# Altium PCB LightLink_V2.1_FINAL_LAYOUT.PcbDoc (part 3 of 3)
Units mm, origin at the board's own origin, x right, y up, seen from the top; angles counter-clockwise.
Board outline 100 x 95 mm, 4 copper layers (Top Layer, GND, PWR, Bottom Layer), stack 1.57 mm thick; 344 components, 261 nets, 1097 pads, 561 vias.
Unrouted connection lines stored in the file: 29.
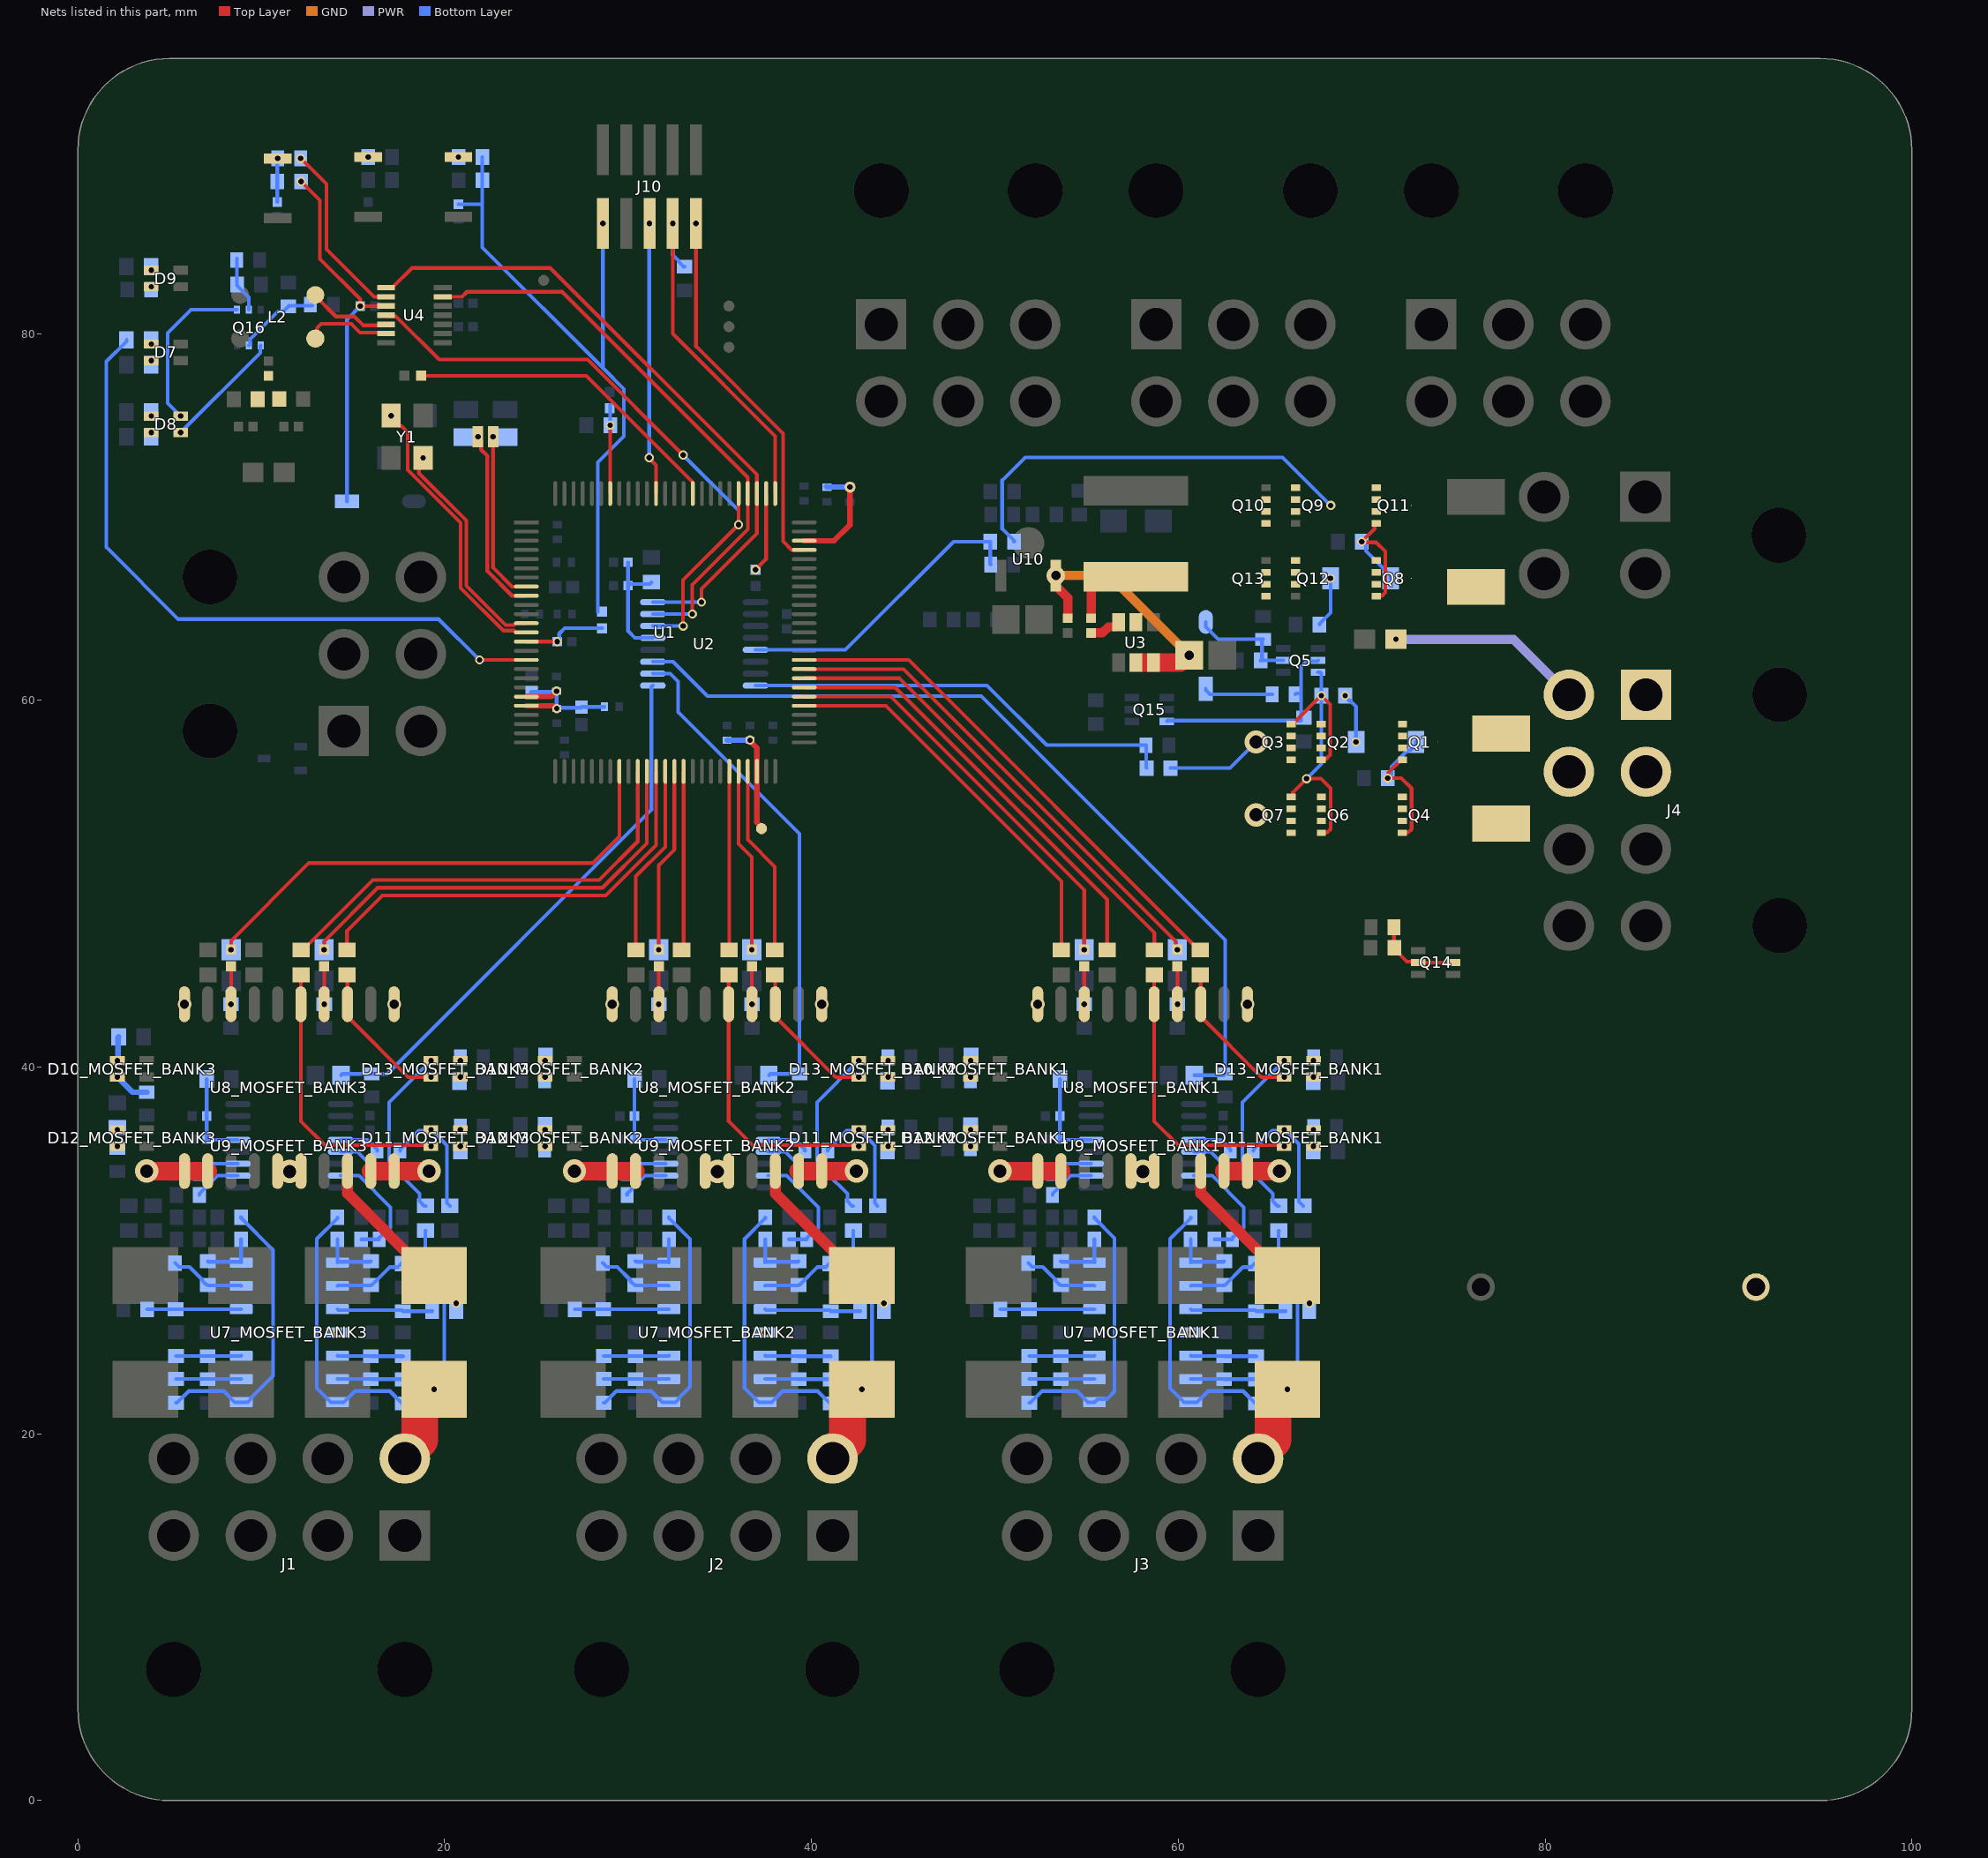
[diagram p5: the nets of this part, all layers, seen from the top]

## Via types
v1: diameter 0.5, hole 0.3, Top Layer to Bottom Layer, tented both sides, 531 vias
v2: diameter 1.27, hole 0.711, Top Layer to Bottom Layer, tented both sides, 13 vias
v3: diameter 0.75, hole 0.5, Top Layer to Bottom Layer, tented both sides, 8 vias
v4: diameter 1, hole 0.5, Top Layer to Bottom Layer, tented both sides, 5 vias
v5: diameter 4, hole 2.5, Top Layer to Bottom Layer, tented both sides, 4 vias

## Nets (pads, with @x,y where several pads share a name; then routed paths per layer and width w, separated by ;. In a path a pad name is that pad's centre, name@x,y a point inside that pad or via, vN(x,y) a via of type N, cw(c..) or ccw(c..) an arc to the next point about the centre after c; other vN are vias at no path point) (continued)
M3_TRIG: R48_MOSFET_BANK3.2 U1.35 | length 24.6
  Top Layer w0.2: R48_MOSFET_BANK3.2@12.175,46.375 12.25,46.375 16.075,50.2 28.425,50.2 30.525,52.3 U1.35@30.525,56.125
M3_TRIG_MOSFET_BANK1: D11_MOSFET_BANK1.3 R48_MOSFET_BANK1.1 U8_MOSFET_BANK1.5 | length 15.6
  Top Layer w0.2: R48_MOSFET_BANK1.1@58.7,45.025 58.685,45.01 U8_MOSFET_BANK1.5@58.685,43.425 58.685,37.04 59.994,35.731 65.719,35.731 v1(65.775,35.675)
M3_TRIG_MOSFET_BANK2: D11_MOSFET_BANK2.3 R48_MOSFET_BANK2.1 U8_MOSFET_BANK2.5 | length 15.6
  Top Layer w0.2: R48_MOSFET_BANK2.1@35.5,45.025 35.485,45.01 U8_MOSFET_BANK2.5@35.485,43.425 35.485,37.04 36.794,35.731 42.519,35.731 v1(42.575,35.675)
M3_TRIG_MOSFET_BANK3: D11_MOSFET_BANK3.3 R48_MOSFET_BANK3.1 U8_MOSFET_BANK3.5 | length 15.6
  Top Layer w0.2: R48_MOSFET_BANK3.1@12.175,45.025 12.16,45.01 U8_MOSFET_BANK3.5@12.16,43.425 12.16,37.04 13.469,35.731 19.194,35.731 v1(19.25,35.675)
M3_V_SENSE_MOSFET_BANK1: D11_MOSFET_BANK1.2 R78_MOSFET_BANK1.1 R97_MOSFET_BANK1.1 | length 6.8
  Bottom Layer w0.2: R97_MOSFET_BANK1.1@64.09,35.433 64.09,35.508 65.119,36.537 65.737,36.537 v1(65.775,36.575) 65.8,36.575 66.575,35.8 66.575,32.659 R78_MOSFET_BANK1.1@66.809,32.425
M3_V_SENSE_MOSFET_BANK2: D11_MOSFET_BANK2.2 R78_MOSFET_BANK2.1 R97_MOSFET_BANK2.1 | length 6.8
  Bottom Layer w0.2: R97_MOSFET_BANK2.1@40.89,35.433 40.89,35.508 41.919,36.537 42.537,36.537 v1(42.575,36.575) 42.6,36.575 43.45,35.725 43.45,32.584 R78_MOSFET_BANK2.1@43.609,32.425
M3_V_SENSE_MOSFET_BANK3: D11_MOSFET_BANK3.2 R78_MOSFET_BANK3.1 R97_MOSFET_BANK3.1 | length 6.8
  Bottom Layer w0.2: R97_MOSFET_BANK3.1@17.565,35.433 17.565,35.508 18.594,36.537 19.212,36.537 v1(19.25,36.575) 19.275,36.575 20.125,35.725 20.125,32.584 R78_MOSFET_BANK3.1@20.284,32.425
M4_I_SENSE_MOSFET_BANK1: R89_MOSFET_BANK1.1 R92_MOSFET_BANK1.2 U9_MOSFET_BANK1.7 | length 6.5
  Bottom Layer w0.2: U9_MOSFET_BANK1.7@60.85,34.075 61.85,34.075 63.575,32.35 63.575,31.225 63.225,30.875 63.15,30.875 62.95,30.675 R92_MOSFET_BANK1.2@62.95,30.6 R89_MOSFET_BANK1.1@61.975,30.6
M4_I_SENSE_MOSFET_BANK2: R89_MOSFET_BANK2.1 R92_MOSFET_BANK2.2 U9_MOSFET_BANK2.7 | length 6.5
  Bottom Layer w0.2: U9_MOSFET_BANK2.7@37.65,34.075 38.65,34.075 40.375,32.35 40.375,31.225 40.025,30.875 39.95,30.875 39.75,30.675 R92_MOSFET_BANK2.2@39.75,30.6 R89_MOSFET_BANK2.1@38.775,30.6
M4_I_SENSE_MOSFET_BANK3: R89_MOSFET_BANK3.1 R92_MOSFET_BANK3.2 U9_MOSFET_BANK3.7 | length 6.5
  Bottom Layer w0.2: U9_MOSFET_BANK3.7@14.325,34.075 15.325,34.075 17.05,32.35 17.05,31.225 16.7,30.875 16.625,30.875 16.425,30.675 R92_MOSFET_BANK3.2@16.425,30.6 R89_MOSFET_BANK3.1@15.45,30.6
M4_OUT_MOSFET_BANK1: J3.5 R86_MOSFET_BANK1.2 R87_MOSFET_BANK1.2 R88_MOSFET_BANK1.2 | length 13.9
  Top Layer w2: J3.5@64.35,18.65 64.35,18.853 65.165,19.668 65.165,21.875 65.715,22.425 v1(65.95,22.425)
  Bottom Layer w0.2: R88_MOSFET_BANK1.2@65.484,31.075 65.475,31.066 65.475,29.235 65.7,29.01 65.75,29.01 66.5,28.26 66.5,22.975 v1(65.95,22.425)
M4_OUT_MOSFET_BANK2: J2.5 R86_MOSFET_BANK2.2 R87_MOSFET_BANK2.2 R88_MOSFET_BANK2.2 | length 13.9
  Top Layer w2: J2.5@41.15,18.65 41.15,18.853 41.965,19.668 41.965,21.875 42.515,22.425 v1(42.75,22.425)
  Bottom Layer w0.2: R88_MOSFET_BANK2.2@42.284,31.075 42.275,31.066 42.275,29.235 42.5,29.01 42.55,29.01 43.3,28.26 43.3,22.975 v1(42.75,22.425)
M4_OUT_MOSFET_BANK3: J1.5 R86_MOSFET_BANK3.2 R87_MOSFET_BANK3.2 R88_MOSFET_BANK3.2 | length 13.9
  Top Layer w2: J1.5@17.825,18.65 17.825,18.853 18.64,19.668 18.64,21.875 19.19,22.425 v1(19.425,22.425)
  Bottom Layer w0.2: R88_MOSFET_BANK3.2@18.959,31.075 18.95,31.066 18.95,29.235 19.175,29.01 19.225,29.01 19.975,28.26 19.975,22.975 v1(19.425,22.425)
M4_PRE_SHUNT_MOSFET_BANK1: R86_MOSFET_BANK1.1 R90_MOSFET_BANK1.2 U8_MOSFET_BANK1.18 | length 7.8
  Top Layer w0.6: U8_MOSFET_BANK1.18@61.225,34.325 61.225,33.115 65.715,28.625 R86_MOSFET_BANK1.1@65.95,28.625
  other v1: 67.15,27.11
M4_PRE_SHUNT_MOSFET_BANK2: R86_MOSFET_BANK2.1 R90_MOSFET_BANK2.2 U8_MOSFET_BANK2.18 | length 7.8
  Top Layer w0.6: U8_MOSFET_BANK2.18@38.025,34.325 38.025,33.115 42.515,28.625 R86_MOSFET_BANK2.1@42.75,28.625
  other v1: 43.95,27.11
M4_PRE_SHUNT_MOSFET_BANK3: R86_MOSFET_BANK3.1 R90_MOSFET_BANK3.2 U8_MOSFET_BANK3.18 | length 7.8
  Top Layer w0.6: U8_MOSFET_BANK3.18@14.7,34.325 14.7,33.115 19.19,28.625 R86_MOSFET_BANK3.1@19.425,28.625
  other v1: 20.625,27.11
M4_TRIG: R58_MOSFET_BANK3.2 U1.37 | length 23.9
  Top Layer w0.2: R58_MOSFET_BANK3.2@14.675,46.375 14.675,47.425 16.6,49.35 28.775,49.35 31.525,52.1 U1.37@31.525,56.125
M4_TRIG_MOSFET_BANK1: D13_MOSFET_BANK1.3 R58_MOSFET_BANK1.1 U8_MOSFET_BANK1.3 | length 8.2
  Top Layer w0.2: R58_MOSFET_BANK1.1@61.2,45.025 61.225,45 U8_MOSFET_BANK1.3@61.225,43.425 61.225,42.75 64.525,39.45 v1(65.775,39.45)
M4_TRIG_MOSFET_BANK2: D13_MOSFET_BANK2.3 R58_MOSFET_BANK2.1 U8_MOSFET_BANK2.3 | length 8.2
  Top Layer w0.2: R58_MOSFET_BANK2.1@38,45.025 38.025,45 U8_MOSFET_BANK2.3@38.025,43.425 38.025,42.75 41.325,39.45 v1(42.575,39.45)
M4_TRIG_MOSFET_BANK3: D13_MOSFET_BANK3.3 R58_MOSFET_BANK3.1 U8_MOSFET_BANK3.3 | length 8.2
  Top Layer w0.2: R58_MOSFET_BANK3.1@14.675,45.025 14.7,45 U8_MOSFET_BANK3.3@14.7,43.425 14.7,42.75 18,39.45 v1(19.25,39.45)
M4_V_SENSE_MOSFET_BANK1: D13_MOSFET_BANK1.2 R88_MOSFET_BANK1.1 R98_MOSFET_BANK1.1 | length 9.7
  Bottom Layer w0.2: R88_MOSFET_BANK1.1@65.484,32.425 65.409,32.425 65.159,32.675 65.159,33.089 64.09,34.158 R98_MOSFET_BANK1.1@64.09,34.233 64.09,34.308 63.501,34.897 63.501,38.076 v1(65.775,40.35)
M4_V_SENSE_MOSFET_BANK2: D13_MOSFET_BANK2.2 R88_MOSFET_BANK2.1 R98_MOSFET_BANK2.1 | length 9.7
  Bottom Layer w0.2: R88_MOSFET_BANK2.1@42.284,32.425 42.209,32.425 41.959,32.675 41.959,33.089 40.89,34.158 R98_MOSFET_BANK2.1@40.89,34.233 40.89,34.308 40.301,34.897 40.301,38.076 v1(42.575,40.35)
M4_V_SENSE_MOSFET_BANK3: D13_MOSFET_BANK3.2 R88_MOSFET_BANK3.1 R98_MOSFET_BANK3.1 | length 9.7
  Bottom Layer w0.2: R88_MOSFET_BANK3.1@18.959,32.425 18.884,32.425 18.634,32.675 18.634,33.089 17.565,34.158 R98_MOSFET_BANK3.1@17.565,34.233 17.565,34.308 16.976,34.897 16.976,38.076 v1(19.25,40.35)
M5_TRIG: R47_MOSFET_BANK2.2 U1.38 | length 10.4
  Top Layer w0.2: R47_MOSFET_BANK2.2@30.425,46.375 30.425,50.4 32.025,52 U1.38@32.025,56.125
M6_TRIG: R57_MOSFET_BANK2.2 U1.40 | length 9.8
  Top Layer w0.2: R57_MOSFET_BANK2.2@32.925,46.375 33.025,46.475 U1.40@33.025,56.125
M7_TRIG: R48_MOSFET_BANK2.2 U1.45 | length 9.8
  Top Layer w0.2: R48_MOSFET_BANK2.2@35.5,46.375 35.525,46.4 U1.45@35.525,56.125
M8_TRIG: R58_MOSFET_BANK2.2 U1.47 | length 10.4
  Top Layer w0.2: U1.47@36.525,56.125 36.525,52.4 38,50.925 R58_MOSFET_BANK2.2@38,46.375
M9_TRIG: R47_MOSFET_BANK1.2 U1.55 | length 21.7
  Top Layer w0.2: U1.55@39.6,59.7 44.05,59.7 53.625,50.125 R47_MOSFET_BANK1.2@53.625,46.375
M10_TRIG: R57_MOSFET_BANK1.2 U1.57 | length 24.1
  Top Layer w0.2: U1.57@39.6,60.7 44.55,60.7 56.125,49.125 R57_MOSFET_BANK1.2@56.125,46.375
M11_TRIG: R48_MOSFET_BANK1.2 U1.58 | length 25.8
  Top Layer w0.2: U1.58@39.6,61.2 44.8,61.2 58.7,47.3 R48_MOSFET_BANK1.2@58.7,46.375
M12_STAT: R17_MOSFET_BANK3.2 R18_MOSFET_BANK3.2 U1.33 | length 27.6
  Top Layer w0.2: v1(8.35,46.4) 8.35,46.875 12.6,51.125 28.075,51.125 29.525,52.575 U1.33@29.525,56.125
M12_TRIG: R58_MOSFET_BANK1.2 U1.60 | length 28.2
  Top Layer w0.2: U1.60@39.6,62.2 45.3,62.2 61.125,46.375 R58_MOSFET_BANK1.2@61.2,46.375
M34_STAT: R21_MOSFET_BANK3.2 R22_MOSFET_BANK3.2 U1.36 | length 24.2
  Top Layer w0.2: v1(13.425,46.4) 13.433,46.408 13.433,46.858 16.35,49.775 28.6,49.775 31.025,52.2 U1.36@31.025,56.125
M56_STAT: R17_MOSFET_BANK2.2 R18_MOSFET_BANK2.2 U1.39 | length 10.1
  Top Layer w0.2: v1(31.675,46.4) 31.675,51 32.525,51.85 U1.39@32.525,56.125
M78_STAT: R21_MOSFET_BANK2.2 R22_MOSFET_BANK2.2 U1.46 | length 10
  Top Layer w0.2: U1.46@36.025,56.125 36.025,52.175 36.75,51.45 v1(36.75,46.4)
M910_STAT: R17_MOSFET_BANK1.2 R18_MOSFET_BANK1.2 U1.56 | length 22.9
  Top Layer w0.2: U1.56@39.6,60.2 44.325,60.2 54.875,49.65 v1(54.875,46.4)
M1112_STAT: R21_MOSFET_BANK1.2 R22_MOSFET_BANK1.2 U1.59 | length 26.9
  Top Layer w0.2: U1.59@39.6,61.7 45.025,61.7 59.867,46.858 59.867,46.483 v1(59.95,46.4)
M1234_TEMP: R41_MOSFET_BANK3.1 R46_MOSFET_BANK3.2 U2.9 | length 29.7
  Bottom Layer w0.2: R41_MOSFET_BANK3.1@14.35,39.55 14.425,39.625 R46_MOSFET_BANK3.2@16.025,39.625 16.875,39.625 31.269,54.019 31.269,60.731 31.339,60.8 U2.9@31.35,60.8
M5678_TEMP: R41_MOSFET_BANK2.1 R46_MOSFET_BANK2.2 U2.10 | length 27.4
  Bottom Layer w0.2: U2.10@31.35,61.45 32.3,61.45 32.725,61.025 32.725,59.353 39.35,52.728 R46_MOSFET_BANK2.2@39.35,39.625 37.75,39.625 R41_MOSFET_BANK2.1@37.675,39.55
M9101112_TEMP: R41_MOSFET_BANK1.1 R46_MOSFET_BANK1.2 U2.11 | length 46.5
  Bottom Layer w0.2: U2.11@31.35,62.1 32.45,62.1 34.325,60.225 49.25,60.225 62.55,46.925 R46_MOSFET_BANK1.2@62.55,39.625 62.475,39.55 R41_MOSFET_BANK1.1@60.875,39.55
NetC1_1: C1.1 R24.1 U1.14 | length 4.6
  Top Layer w0.2: U1.14@24.45,63.2 v1(26.135,63.2)
  Bottom Layer w0.2: v1(26.135,63.2) 26.245,63.31 26.245,63.63 26.54,63.925 R24.1@28.585,63.925
NetC9_2: C9.2 C38.2 TP6.1 U1.73 | length 6.2
  Top Layer w0.3: U1.73@39.6,68.7 41.237,68.7 42.1,69.563 v1(42.1,71.625)
  Bottom Layer w0.3: C9.2@40.825,71.65 C9.2@40.85,71.625 v1(42.1,71.625)
NetC13_1: C13.1 C41.1 R62.2 U2.13 | length 6.6
  Bottom Layer w0.2: C13.1@30,67.525 C41.1@30,66.25 ; R62.2@31.275,66.44 31.18,66.345 30.095,66.345 C41.1@30,66.25 ; U2.13@31.35,63.4 31.34,63.41 30.365,63.41 30,63.775 C41.1@30,66.25
NetC16_MOSFET_BANK1_1: C16_MOSFET_BANK1.1 C21_MOSFET_BANK1.1 R23_MOSFET_BANK1.2 U9_MOSFET_BANK1.13 | length 5
  Bottom Layer w0.2: R23_MOSFET_BANK1.2@53.55,39.35 C16_MOSFET_BANK1.1@53.55,37.325 C21_MOSFET_BANK1.1@53.55,36.05 53.565,36.035 55.24,36.035 U9_MOSFET_BANK1.13@55.25,36.025
NetC16_MOSFET_BANK2_1: C16_MOSFET_BANK2.1 C21_MOSFET_BANK2.1 R23_MOSFET_BANK2.2 U9_MOSFET_BANK2.13 | length 5
  Bottom Layer w0.2: R23_MOSFET_BANK2.2@30.35,39.35 C16_MOSFET_BANK2.1@30.35,37.325 C21_MOSFET_BANK2.1@30.35,36.05 30.365,36.035 32.04,36.035 U9_MOSFET_BANK2.13@32.05,36.025
NetC16_MOSFET_BANK3_1: C16_MOSFET_BANK3.1 C21_MOSFET_BANK3.1 R23_MOSFET_BANK3.2 U9_MOSFET_BANK3.13 | length 5
  Bottom Layer w0.2: R23_MOSFET_BANK3.2@7.025,39.35 C16_MOSFET_BANK3.1@7.025,37.325 C21_MOSFET_BANK3.1@7.025,36.05 7.04,36.035 8.715,36.035 U9_MOSFET_BANK3.13@8.725,36.025
NetC22_1: C22.1 U3.6 | length 1.8
  Top Layer w0.5: C22.1@55.25,63.675 55.863,63.675 56.192,64.004 56.642,64.004 56.742,64.104 U3.6@56.742,64.254
NetC22_2: C22.2 L1.1 U3.5 | length 4.3
  Top Layer w0.5: C22.2@55.25,64.475 55.25,66.03 55.95,66.73 L1.1@57.692,66.73
NetC30_2: C30.2 D6.1 R29.1 U4.10 | length 20.5
  Top Layer w0.2: v1(12.175,88.285) 13.2,87.26 13.2,84.075 15.395,81.88 v1(15.395,81.5) U4.10@16.802,81.5
  Bottom Layer w0.2: D6.1@14.675,70.85 14.675,80.78 v1(15.395,81.5)
NetC31_2: C31.2 R29.2 R31.2 SW3.2 | length 2.4
  Bottom Layer w0.2: C31.2@10.875,87.175 R29.2@10.875,88.285 10.875,89.525 v1(10.9,89.55)
NetC32_1: C32.1 R30.1 R32.2
NetC36_2: C36.2 C37.2 TP5.1 U1.48 | length 6.3
  Top Layer w0.3: v1(36.65,57.825) 36.65,57.771 37.025,57.396 U1.48@37.025,56.125 37.025,53.331 37.275,53.081 TP5.1@37.275,53
  Bottom Layer w0.3: C36.2@35.4,57.825 v1(36.65,57.825)
NetD3_1: D3.1 R6.2 | length 3.8
  Bottom Layer w0.2: D3.1@61.5,60.625 61.5,60.556 61.731,60.325 R6.2@65.125,60.325
NetD3_2: D3.2 Q5.2 R2.2 R3.1 | length 6.1
  Bottom Layer w0.2: D3.2@61.5,64.275 61.5,64.002 62.177,63.325 R2.2@64.625,63.325 64.562,63.263 64.562,62.238 R3.1@64.5,62.175 ; R3.1@64.487,62.162 R3.1@64.5,62.175 ; Q5.2@65.725,62.175 R3.1@64.5,62.175
NetD7_1: D7.1 R34.2
  other v1: 4,78.525
NetD7_4: D7.4 R39.2
  other v1: 4,79.425
NetD8_1: D8.1 R33.2
  other v1: 4,74.6
NetD8_2: D8.2 Q16.1 | length 6.6
  Bottom Layer w0.2: v1(5.6,74.6) 9.95,78.95 9.95,79.325 Q16.1@9.975,79.35
NetD8_3: D8.3 Q16.4 | length 9.1
  Bottom Layer w0.2: v1(5.6,75.5) 4.9,76.2 4.9,80.025 6.175,81.3 Q16.4@8.675,81.3
NetD8_4: D8.4 R35.2
  other v1: 4,75.5
NetD9_1: D9.1 R44.1
  other v1: 4,82.55
NetD9_4: D9.4 R40.2
  other v1: 4,83.45
NetD10_MOSFET_BANK1_1: D10_MOSFET_BANK1.1 R93_MOSFET_BANK1.1
  other v1: 48.675,39.45
NetD10_MOSFET_BANK1_4: D10_MOSFET_BANK1.4 R65_MOSFET_BANK1.2
  other v1: 48.675,40.35
NetD10_MOSFET_BANK2_1: D10_MOSFET_BANK2.1 R93_MOSFET_BANK2.1
  other v1: 25.475,39.45
NetD10_MOSFET_BANK2_4: D10_MOSFET_BANK2.4 R65_MOSFET_BANK2.2
  other v1: 25.475,40.35
NetD10_MOSFET_BANK3_1: D10_MOSFET_BANK3.1 R93_MOSFET_BANK3.1 | length 1.9
  Bottom Layer w0.3: v1(2.15,39.45) 2.975,38.625 R93_MOSFET_BANK3.1@3.75,38.625
NetD10_MOSFET_BANK3_4: D10_MOSFET_BANK3.4 R65_MOSFET_BANK3.2 | length 1.3
  Bottom Layer w0.3: v1(2.15,40.35) 2.187,40.388 2.187,41.612 R65_MOSFET_BANK3.2@2.225,41.65
NetD11_MOSFET_BANK1_1: D11_MOSFET_BANK1.1 R94_MOSFET_BANK1.1
  other v1: 67.375,36.575
NetD11_MOSFET_BANK1_4: D11_MOSFET_BANK1.4 R73_MOSFET_BANK1.2
  other v1: 67.375,35.675
NetD11_MOSFET_BANK2_1: D11_MOSFET_BANK2.1 R94_MOSFET_BANK2.1
  other v1: 44.175,36.575
NetD11_MOSFET_BANK2_4: D11_MOSFET_BANK2.4 R73_MOSFET_BANK2.2
  other v1: 44.175,35.675
NetD11_MOSFET_BANK3_1: D11_MOSFET_BANK3.1 R94_MOSFET_BANK3.1
  other v1: 20.85,36.575
NetD11_MOSFET_BANK3_4: D11_MOSFET_BANK3.4 R73_MOSFET_BANK3.2
  other v1: 20.85,35.675
NetD12_MOSFET_BANK1_1: D12_MOSFET_BANK1.1 R99_MOSFET_BANK1.1
  other v1: 48.675,35.675
NetD12_MOSFET_BANK1_4: D12_MOSFET_BANK1.4 R75_MOSFET_BANK1.2
  other v1: 48.675,36.575
NetD12_MOSFET_BANK2_1: D12_MOSFET_BANK2.1 R99_MOSFET_BANK2.1
  other v1: 25.475,35.675
NetD12_MOSFET_BANK2_4: D12_MOSFET_BANK2.4 R75_MOSFET_BANK2.2
  other v1: 25.475,36.575
NetD12_MOSFET_BANK3_1: D12_MOSFET_BANK3.1 R99_MOSFET_BANK3.1
  other v1: 2.15,35.675
NetD12_MOSFET_BANK3_4: D12_MOSFET_BANK3.4 R75_MOSFET_BANK3.2
  other v1: 2.15,36.575
NetD13_MOSFET_BANK1_1: D13_MOSFET_BANK1.1 R100_MOSFET_BANK1.1
  other v1: 67.375,40.35
NetD13_MOSFET_BANK1_4: D13_MOSFET_BANK1.4 R95_MOSFET_BANK1.2
  other v1: 67.375,39.45
NetD13_MOSFET_BANK2_1: D13_MOSFET_BANK2.1 R100_MOSFET_BANK2.1
  other v1: 44.175,40.35
NetD13_MOSFET_BANK2_4: D13_MOSFET_BANK2.4 R95_MOSFET_BANK2.2
  other v1: 44.175,39.45
NetD13_MOSFET_BANK3_1: D13_MOSFET_BANK3.1 R100_MOSFET_BANK3.1
  other v1: 20.85,40.35
NetD13_MOSFET_BANK3_4: D13_MOSFET_BANK3.4 R95_MOSFET_BANK3.2
  other v1: 20.85,39.45
NetF1_2: F1.2 Q1.5-6-7-8 Q4.5-6-7-8
NetF2_2: F2.2 Q8.5-6-7-8 Q11.5-6-7-8
NetQ2_1: Q2.1 Q2.2 Q2.3 Q3.1 Q3.2 Q3.3
NetQ5_5: Q5.5 Q15.6 R6.1 R7.1 | length 11.7
  Bottom Layer w0.2: Q15.6@59.375,58.85 59.42,58.895 66.695,58.895 R6.1@66.695,60.37 ; R6.1@66.375,60.325 66.42,60.37 R6.1@66.695,60.37 ; Q5.5@67.625,62.17 67.58,62.125 66.975,62.125 66.695,61.845 R6.1@66.695,60.37
NetQ6_1: Q6.1 Q6.2 Q6.3 Q7.1 Q7.2 Q7.3
NetQ9_1: Q9.1 Q9.2 Q9.3 Q10.1 Q10.2 Q10.3
NetQ12_1: Q12.1 Q12.2 Q12.3 Q13.1 Q13.2 Q13.3
NetQ14_2: Q14.2 Q14.5 R36.1 R38.2 | length 4.7
  Top Layer w0.2: R38.2@71.75,47.625 71.762,47.612 71.762,46.462 72.475,45.75 73.036,45.75 Q14.2@73.086,45.7 Q14.5@74.986,45.7
NetQ16_2: Q16.2 R27.1 R96.2 | length 4.5
  Bottom Layer w0.2: Q16.2@9.325,79.35 9.4,79.425 9.4,79.7 10.9,81.2 11.2,81.2 R27.1@11.475,81.475 11.525,81.525 R96.2@12.775,81.525
NetQ16_5: Q16.5 R37.1 R102.2 | length 3.1
  Bottom Layer w0.2: R102.2@8.675,84.1 R37.1@8.675,82.675 8.675,82.625 9.325,81.975 Q16.5@9.325,81.3
NetR19_2: R19.2 SW2.1
  other v1: 15.825,89.625
NetR25_1: R25.1 R61.2 U1.94 | length 4.8
  Top Layer w0.2: U1.94@29.025,71.275 v1(29.025,75)
  Bottom Layer w0.2: v1(29.025,75) R25.1@29.025,76.1
NetR26_1: R26.1 U1.85 | length 17.8
  Top Layer w0.2: R26.1@18.706,77.7 27.725,77.7 33.523,71.902 33.523,71.278 U1.85@33.525,71.275
NetR28_2: R28.2 U1.77 | length 4.4
  Top Layer w0.2: v1(36.95,67.125) 37.525,67.7 U1.77@37.525,71.275
NetR31_1: R31.1 U4.9 | length 9.9
  Top Layer w0.2: v1(12.15,89.55) 13.55,88.15 13.55,84.6 16.147,82.003 16.799,82.003 U4.9@16.802,82
NetR42_2: R42.2 SW1.1
  other v1: 20.75,89.625
NetR49_MOSFET_BANK1_1: R49_MOSFET_BANK1.1 R55_MOSFET_BANK1.2 U7_MOSFET_BANK1.14 | length 3.1
  Bottom Layer w0.2: R49_MOSFET_BANK1.1@53.6,29.411 53.638,29.373 55.387,29.373 U7_MOSFET_BANK1.14@55.425,29.335 R55_MOSFET_BANK1.2@55.425,30.61
NetR49_MOSFET_BANK1_2: R49_MOSFET_BANK1.2 R53_MOSFET_BANK1.1 U7_MOSFET_BANK1.13 | length 4.1
  Bottom Layer w0.2: R53_MOSFET_BANK1.1@51.825,29.31 52.036,29.099 52.611,29.099 53.319,28.39 53.319,28.337 53.547,28.109 R49_MOSFET_BANK1.2@53.6,28.109 53.622,28.087 55.403,28.087 U7_MOSFET_BANK1.13@55.425,28.065
NetR49_MOSFET_BANK2_1: R49_MOSFET_BANK2.1 R55_MOSFET_BANK2.2 U7_MOSFET_BANK2.14 | length 3.1
  Bottom Layer w0.2: R49_MOSFET_BANK2.1@30.4,29.411 30.438,29.373 32.187,29.373 U7_MOSFET_BANK2.14@32.225,29.335 R55_MOSFET_BANK2.2@32.225,30.61
NetR49_MOSFET_BANK2_2: R49_MOSFET_BANK2.2 R53_MOSFET_BANK2.1 U7_MOSFET_BANK2.13 | length 4.1
  Bottom Layer w0.2: R53_MOSFET_BANK2.1@28.625,29.31 28.836,29.099 29.411,29.099 30.119,28.39 30.119,28.337 30.347,28.109 R49_MOSFET_BANK2.2@30.4,28.109 30.422,28.087 32.203,28.087 U7_MOSFET_BANK2.13@32.225,28.065
NetR49_MOSFET_BANK3_1: R49_MOSFET_BANK3.1 R55_MOSFET_BANK3.2 U7_MOSFET_BANK3.14 | length 3.1
  Bottom Layer w0.2: R49_MOSFET_BANK3.1@7.075,29.411 7.113,29.373 8.862,29.373 U7_MOSFET_BANK3.14@8.9,29.335 R55_MOSFET_BANK3.2@8.9,30.61